# Altium PCB 191228 PCB.PcbDoc (part 2 of 3)
Units mm, origin at the board's own origin, x right, y up, seen from the top; angles counter-clockwise.
Board outline 140 x 119 mm, 6 copper layers (SIGNAL1, GND1, POWER, GND2, SIGNAL2, GND3), stack 1.551 mm thick; 287 components, 145 nets, 826 pads, 579 vias.
Unrouted connection lines stored in the file: 22.
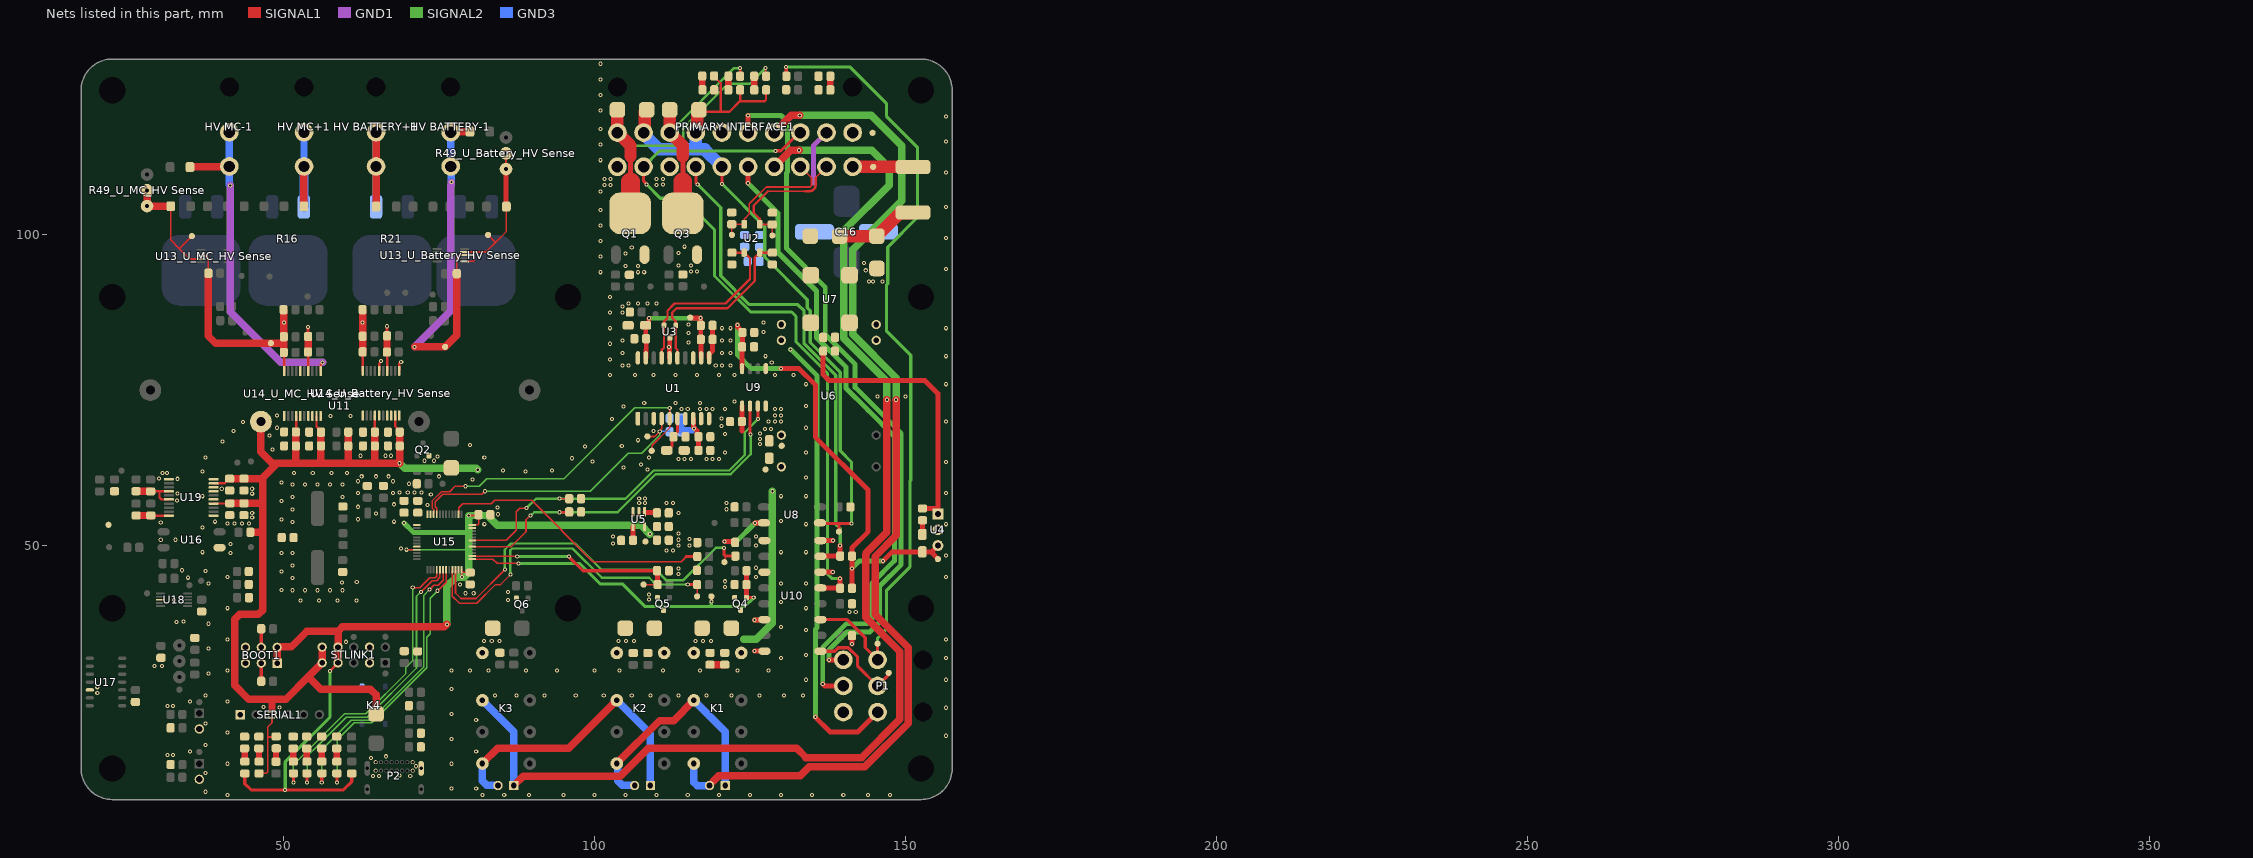
[diagram p4: the nets of this part, all layers, seen from the top]

## Part data
"AMS Bypass1" "IMD Bypass1" "PDOC Bypass1": library part "TH 2.54mm Header 1x2", Angle=0, Contact=NA, Flange=No, Part Number="TH 2.54mm Header 1x2", Pitch=2.54mm, Positions=2, Row Spacing=2.54mm
BOOT1: library part "TH 2.54mm Header 2x3", Angle=0, Contact=NA, Flange=No, Part Number="TH 2.54mm Header 2x3", Pitch=2.54mm, Positions=6, Row Spacing=2.54mm
C1 C4: library part GCM3195C2A103JA16D, Digikey Part Number=490-4978-2-ND, Manufacturer=muRata, Rated Voltage=100V, Tolerance=5%, Material=Ceramic, Part Number=GCM3195C2A103JA16D
C2 C3 C6 C8 C22 C24 C25 "C27_U_Battery_HV Sense" "C27_U_MC_HV Sense" "C29_U_Battery_HV Sense" "C29_U_MC_HV Sense" "C31_U_Battery_HV Sense" "C31_U_MC_HV Sense" "C32_U_Battery_HV Sense" "C32_U_MC_HV Sense" "C34_U_Battery_HV Sense" "C34_U_MC_HV Sense" C38 C39 C40 C45 C46 C47 C48 C50 C52 C53 C55 C57: library part GCM21BR71H104KA37L, Digikey Part Number=490-6064-1-ND, Manufacturer=muRata, Rated Voltage=50V, Tolerance=±10%, Material=X7R, Part Number=GCM21BR71H104KA37L
C5 C7 C14 C17 C18 C26 "C30_U_Battery_HV Sense" "C30_U_MC_HV Sense" "C33_U_Battery_HV Sense" "C33_U_MC_HV Sense" C51 C54: library part GRM21BR6YA106KE43L, Digikey Part Number=490-10514-6-ND, Manufacturer=muRata, Rated Voltage=50V, Tolerance=10%, Material=X5R, Part Number=GRM21BR6YA106KE43L
C9 C21 C41 C42 C43 C44: library part GRM21A5C2E220JW01D, Digikey Part Number=490-5534-1-ND, Manufacturer=muRata, Rated Voltage=250V, Tolerance=±5%, Material="C0G, NP0", Part Number=GRM21A5C2E220JW01D
C10 C11 C12 C13: library part GCM2165C1H101JA16D, Digikey Part Number=490-8031-1-ND, Manufacturer=muRata, Rated Voltage=50V, Tolerance=±5%, Material="C0G, NP0", Part Number=GCM2165C1H101JA16D
C15 C19: library part CC1206MKX5R7BB226, Digikey Part Number=311-1997-2-ND, Manufacturer=YAGEO, Rated Voltage=16V, Tolerance=20%, Material=Ceramic, Part Number=CC1206MKX5R7BB226
C16: library part MAL214699106E3, Digikey Part Number=4440PHCT-ND, Manufacturer=Vishay, Rated Voltage=50V, Tolerance=20%, Material="Aluminium Electrolytic", Part Number=MAL214699106E3
C20 C23: library part AC0805KKX7R8BB105, Digikey Part Number="DO NOT USE FOR NEW DESIGNS", Manufacturer=YAGEO, Rated Voltage=25V, Tolerance=10%, Material=X7R, Part Number=AC0805KKX7R8BB105
"C28_U_Battery_HV Sense" "C28_U_MC_HV Sense" "C35_U_Battery_HV Sense" "C35_U_MC_HV Sense" C49 C56: library part GCM2195C1H103JA16D, Digikey Part Number=490-4783-1-ND, Manufacturer=muRata, Rated Voltage=50V, Tolerance=±5%, Material="C0G, NP0", Part Number=GCM2195C1H103JA16D
C36: library part GCM21BR71E104KA37L, Digikey Part Number="DO NOT USE FOR NEW DESIGNS", Manufacturer=muRata, Rated Voltage=25V, Tolerance=10%, Material=X7R, Part Number=GCM21BR71E104KA37L
C37: library part GCM21BR71H105KA03L, Digikey Part Number=490-10675-1-ND, Manufacturer=muRata, Rated Voltage=50V, Tolerance=±10%, Material=X7R, Part Number=GCM21BR71H105KA03L
C58: library part GCM21BR71H102KA37L, Digikey Part Number="DO NOT USE FOR NEW DESIGNS", Manufacturer=muRata, Rated Voltage=50V, Tolerance=10%, Material=X7R, Part Number=GCM21BR71H102KA37L
"CAN RX INDC1" "CAN RX INDC2" "CAN TX INDC1" "CAN TX INDC2": library part SML-MN2BCTT86C, "LED BLUE CLEAR 2012 SMD", Digikey Part Number=846-1207-1-ND, Manufacturer="ROHM Semiconductor", Colour=Blue, Digikey Link=https://www.digikey.com/product-detail/en/rohm-semiconductor/SMLMN2BCTT86C/846-1207-1-ND/6057239, Part Number=SML-MN2BCTT86C
"CAN TERM R1" "CAN TERM R2": library part RC0805FR0756RL, Digikey Part Number=311-56.0CRCT-ND, Manufacturer=YAGEO, Rated Voltage=0.125W, Tolerance=0.01, Material=FR-07, Part Number=RC0805FR0756RL
D1 D7 D9 D11 D13 D16 D18 D21: "1.2V_F 600V 5A SMB", Digikey Part Number=1655-1530-2-ND, Manufacturer="SMC Diode Solutions", Digikey Link=https://www.digikey.com/product-detail/en/smc-diode-solutions/SD560BTR/1655-1530-2-ND/6022620, Part Number=SD560BTR
D2: "42.8V Clamp 93A (8/20µs) Ipp Tvs Diode Surface Mount SMB (DO-214AA)", Manufacturer=ST, Alternative Parts=https://www.digikey.com/en/products/detail/stmicroelectronics/SM6T39AY/2442901, Digikey Link=https://www.digikey.com/en/products/detail/stmicroelectronics/SM6T39CAY/2442903, Digikey Part Number=SM6T39CAY, Part Number=SM6T39CAY, Vbr=42.8V, Vf=42.8
D3 D4 D5 D20: library part SML-210LTT86, "Red LED Indication - Discrete 1.75V 0805 (2012 Metric)", Digikey Part Number=511-1286-1-ND, Manufacturer="ROHM Semiconductor", Colour=Red, Digikey Link=https://www.digikey.com/product-detail/en/rohm-semiconductor/SML-210LTT86/511-1286-1-ND/637099, Part Number=SML-210LTT86
D6 D14 D17 D19: library part SML-210FTT86, "Green LED Indication - Discrete 1.75V 0805 (2012 Metric)", Digikey Part Number=511-1285-1-ND, Manufacturer="ROHM Semiconductor", Colour=Green, Digikey Link=https://www.digikey.com/product-detail/en/rohm-semiconductor/SML-210FTT86/511-1285-1-ND/637098, Part Number=SML-210FTT86
D8 D10 D12 D15: library part SML-211DTT86, "Orange LED Indication - Discrete 1.75V 0805 (2012 Metric)", Digikey Part Number=511-1291-1-ND, Manufacturer="ROHM Semiconductor", Colour=Orange, Digikey Link=https://www.digikey.com/product-detail/en/rohm-semiconductor/SML-211DTT86/511-1291-1-ND/637104, Part Number=SML-211DTT86
F1: "PTC RESET FUSE 60V 1A 292", Digikey Part Number=507-2070-1-ND, Manufacturer="Littelfuse Inc.", Digikey Link=https://www.digikey.com/product-detail/en/bel-fuse-inc/0ZCF0100AF2A/507-2070-1-ND/6210547, Part Number=0ZCF0100AF2A
"HV BATTERY+1" "HV BATTERY-1" "HV MC+1" "HV MC-1": Digikey Part Number=WM21351-ND, Angle=90, Contact=Tin, Flange=No, Part Number=39300020, Pitch=4.2mm, Positions=2, Row Spacing=5.5mm
K1 K2 K3: "5V DPDT Relay 3A 220VDC", Digikey Part Number=PB383-ND, Manufacturer=Axicom, Digikey Link=https://www.digikey.com/products/en?mpart=V23105A5001A201&v=41, Part Number=V23105A5475A201
K4: "TACTILE SWITCHES SPST 5.10MM X 5.10MM 0.80MM SMD ROHS", Manufacturer="XKB Enerprise", Link=https://jlcpcb.com/client/index.html#/parts/componentSearch?searchTxt=usb, Part Number=TS-1187A-C-D-B
P1: Digikey Part Number=WM21353-ND, Angle=90, Contact=Tin, Flange=No, Part Number=39300060, Pitch=4.2mm, Positions=6, Row Spacing=5.5mm
P2: "USB - C (Type - C) USB 2.0 Receptacle Connector 16 Position Through Hole, Right Angle", Digikey Part Number=2073-USB4085-GF-ACT-ND, Angle=90, Digikey Link=https://www.digikey.ee/product-detail/en/gct/USB4085-GF-A/2073-USB4085-GF-ACT-ND/9859733, Part Number=USB4085-GF-A
"PCB NTC1": library part NTCS0805E3103FLT, Digikey Part Number=BC2733CT-ND, Manufacturer="Vishay Beyschlag", Rated Voltage=210mW, Tolerance=0.01, Part Number=NTCS0805E3103FLT
"PDOC Sensor 1" "PDOC Sensor 2": Digikey Part Number=455-2247-ND, Angle=0, Contact=Tin, Digikey Link=https://www.digikey.com.au/en/products/detail/jst-sales-america-inc/B2B-XH-A-LF-SN/1651045, Flange=No, Part Number=B2B-XH-A(LF)(SN), Pitch=2.54mm, Positions=2, Row Spacing=2.54mm
"PRIMARY INTERFACE1": Digikey Part Number=WM21360-ND, Angle=90, Contact=Tin, Flange=No, Part Number=39300200, Pitch=4.2mm, Positions=20, Row Spacing=5.5mm
Q1 Q3: "N-Channel 100V 60A (Tc) 125W (Tc) Surface Mount DPAK", Digikey Part Number=497-8806-2-ND, Manufacturer=STMicroelectronics, Digikey Link=https://www.digikey.com/product-detail/en/stmicroelectronics/STD70N10F4/497-8806-2-ND/2035599, LatestRevisionDate=29-May-2009, LatestRevisionNote="IPC-7351 Footprint Added.", PackageDescription="4-Pin SOT-343 Package 1.3 mm Pitch, 2.1 mm Lead Span", PackageReference=SOT-343, PackageVersion=Sep-2000, Part Number=STD70N10F4, Published=24-Mar-1999, Publisher="Altium Limited"
Q2 Q4 Q5 Q6: "60V 380mA, NFET MOSTFET (Small Signal)", Digikey Part Number=2N7002KCT-ND, Manufacturer="ON Semiconductor", Digikey Link=https://www.digikey.com/product-detail/en/on-semiconductor/2N7002K/2N7002KCT-ND/2060375, LatestRevisionDate=29-May-2009, LatestRevisionNote="IPC-7351 Footprint Added.", PackageDescription="4-Pin SOT-343 Package 1.3 mm Pitch, 2.1 mm Lead Span", PackageReference=SOT-343, PackageVersion=Sep-2000, Part Number=2N7002K, Published=24-Mar-1999, Publisher="Altium Limited", Qty=30
R1 R72: library part RC0805FR070RL, Digikey Part Number=311-0.0CRCT-ND, Manufacturer=YAGEO, Rated Voltage=0.125W, Tolerance=0.01, Material=FR-07, Part Number=RC0805FR070RL
R2 R3 R74 R81: library part RC0805FR072KL, Digikey Part Number=311-2.00KCRCT-ND, Manufacturer=YAGEO, Rated Voltage=0.125W, Tolerance=0.01, Material=FR-07, Part Number=RC0805FR072KL
R4 R7 R8 R10 R11 R18 R24 R25 R32 R36 R37 R66: library part RC0805FR071K5L, Digikey Part Number=311-1.50KCRCT-ND, Manufacturer=YAGEO, Rated Voltage=0.125W, Tolerance=0.01, Material=FR-07, Part Number=RC0805FR071K5L
R5 R12 R26 R30 R31 R34 R38 R41 R55 R56 R57 R58 R75: library part RC0805FR07680RL, Digikey Part Number=311-680CRCT-ND, Manufacturer=YAGEO, Rated Voltage=0.125W, Tolerance=0.01, Material=FR-07, Part Number=RC0805FR07680RL
R6 R9 R14 R15 R22 R23 R28 R29 R33 R35 R40: library part RC0805FR0720KL, Digikey Part Number=311-20.0KCRCT-ND, Manufacturer=YAGEO, Rated Voltage=0.125W, Tolerance=0.01, Material=FR-07, Part Number=RC0805FR0720KL
R13 R20 R27 R39 R42: library part RC0805FR0710RL, Digikey Part Number=311-10.0CRCT-ND, Manufacturer=YAGEO, Rated Voltage=0.125W, Tolerance=0.01, Material=FR-07, Part Number=RC0805FR0710RL
R16 R17 R19 R21: library part PWR263S-35-1001J, Digikey Part Number=PWR263S-35-1001J-ND, Manufacturer="Bournes Inc", Rated Voltage=35W, Tolerance=0.05, Part Number=PWR263S-35-1001J
"R43_U_Battery_HV Sense" "R43_U_MC_HV Sense" "R44_U_Battery_HV Sense" "R44_U_MC_HV Sense" "R45_U_Battery_HV Sense" "R45_U_MC_HV Sense" "R46_U_Battery_HV Sense" "R46_U_MC_HV Sense": library part MMA02040C3303FB300, Digikey Part Number=MMA-330KACT-ND, Manufacturer="Vishay Beyschlag", Rated Voltage=0.4W, Tolerance=0.01, Part Number=MMA02040C3303FB300
"R47_U_Battery_HV Sense" "R47_U_MC_HV Sense" "R48_U_Battery_HV Sense" "R48_U_MC_HV Sense" R79 R80: library part RC0805FR075K6L, Digikey Part Number=311-5.60KCRCT-ND, Manufacturer=YAGEO, Rated Voltage=0.125W, Tolerance=0.01, Material=FR-07, Part Number=RC0805FR075K6L
"R49_U_Battery_HV Sense" "R49_U_MC_HV Sense" R77: library part 3296W-1-103LF, Digikey Part Number=3296W-103LF-ND, Manufacturer="Bournes Inc", Rated Voltage=0.5W, Tolerance=0.1, Part Number=3296W-1-103LF
"R50_U_Battery_HV Sense" "R50_U_MC_HV Sense": library part MMA02040C1002FB300, Digikey Part Number=MMA-10KACT-ND, Manufacturer="Vishay Beyschlag", Rated Voltage=0.4W, Tolerance=0.01, Part Number=MMA02040C1002FB300
"R51_U_Battery_HV Sense" "R51_U_MC_HV Sense" R82: library part RC0805FR0730KL, Digikey Part Number=311-30.0KCRCT-ND, Manufacturer=YAGEO, Rated Voltage=0.125W, Tolerance=0.01, Material=FR-07, Part Number=RC0805FR0730KL
"R52_U_Battery_HV Sense" "R52_U_MC_HV Sense" R53 R59 R64 R65 R76 R78 R83: library part RC0805FR0710KL, Digikey Part Number=311-10.0KCRCT-ND, Manufacturer=YAGEO, Rated Voltage=0.125W, Tolerance=0.01, Material=FR-07, Part Number=RC0805FR0710KL
R54: library part RC0805FR07510RL, Digikey Part Number=311-510CRCT-ND, Manufacturer=YAGEO, Rated Voltage=0.125W, Tolerance=0.01, Material=FR-07, Part Number=RC0805FR07510RL
R60 R61 R62 R63: library part RC0805FR073K3L, Digikey Part Number=311-3.30KCRCT-ND, Manufacturer=YAGEO, Rated Voltage=0.125W, Tolerance=0.01, Material=FR-07, Part Number=RC0805FR073K3L
R67 R68: library part RC0805FR0720RL, Digikey Part Number=311-20.0CRCT-ND, Manufacturer=YAGEO, Rated Voltage=0.125W, Tolerance=0.01, Material=FR-07, Part Number=RC0805FR0720RL
R69: library part RC0805FR0710ML, Digikey Part Number=311-10.0MCRCT-ND, Manufacturer=YAGEO, Rated Voltage=0.125W, Tolerance=0.01, Material=FR-07, Part Number=RC0805FR0710ML
R70 R71: library part RC0805FR075K1L, Digikey Part Number=311-5.10KCRCT-ND, Manufacturer=YAGEO, Rated Voltage=0.125W, Tolerance=0.01, Material=FR-07, Part Number=RC0805FR075K1L
R73: library part RC0805FR073KL, Digikey Part Number=311-3.00KCRCT-ND, Manufacturer=YAGEO, Rated Voltage=0.125W, Tolerance=0.01, Material=FR-07, Part Number=RC0805FR073KL
SERIAL1: library part "TH 2.54mm Header 1x6", Angle=0, Contact=NA, Flange=No, Part Number="TH 2.54mm Header 1x6", Pitch=2.54mm, Positions=6, Row Spacing=2.54mm
STLINK1: library part "TH 2.54mm Header 2x5", Angle=0, Contact=NA, Flange=No, Part Number="TH 2.54mm Header 2x5", Pitch=2.54mm, Positions=10, Row Spacing=2.54mm
TP1 TP2 TP3 TP4 TP5 TP6 TP7 TP8 TP9 TP10 TP11 TP12 TP13 TP14 TP15 TP16 TP17 TP18 TP19 TP20 TP21 TP22 "TP23_U_Battery_HV Sense" "TP23_U_MC_HV Sense" "TP24_U_Battery_HV Sense" "TP24_U_MC_HV Sense" "TP25_U_Battery_HV Sense" "TP25_U_MC_HV Sense" "TP26_U_Battery_HV Sense" "TP26_U_MC_HV Sense" "TP27_U_Battery_HV Sense" "TP27_U_MC_HV Sense" "TP28_U_Battery_HV Sense" "TP28_U_MC_HV Sense" TP29 TP30 TP31 TP32 TP33 TP34 TP35 TP36 TP37 TP38 TP39 TP40 TP41 TP42 TP43 TP44: library part "SMD Test Point Small", Angle=0, Contact=NA, Flange=No, Part Number="SMD Test Point Small", Pitch=0mm, Positions=1, Row Spacing=0
U1: "Isolated CAN Transceiver", Digikey Part Number=ADM3053BRWZ-ND, Manufacturer="Analogue Devices", Digikey Link=https://www.digikey.com/product-detail/en/analog-devices-inc/ADM3053BRWZ/ADM3053BRWZ-ND/2709332, Part Number=ADM3053
U2: "100µH @ 100kHz 2 Line Common Mode Choke Surface Mount 5.8 kOhms @ 10MHz 150mA DCR 2Ohm", Digikey Part Number=495-4598-1-ND, Manufacturer="EPCOS (TDK)", Rated Current=150mA, Digikey Link=https://www.digikey.com/product-detail/en/epcos-tdk/B82787C0104H002/495-4598-2-ND/3680998, Impedence="5.8 kOhms @ 10MHz", Material=Wirewound, Part Number=B82787C0104H002
U3: "Dual Line CAN Bus Protector", Digikey Part Number=NUP2105LT1GOSCT-ND, Manufacturer="ON Semiconductor", Digikey Link=https://www.digikey.com/product-detail/en/on-semiconductor/NUP2105LT1G/NUP2105LT1GOSCT-ND/1485001, Part Number=NUP2105L
U4: "CONV DC/DC 1A 5V OUT SIP VERT", Digikey Part Number=945-1395-5-ND, Manufacturer=Recom, Output Power=5W, Output Voltage=5V, Digikey Link=https://www.digikey.com.au/product-detail/en/recom-power/R-78C5.0-1.0/945-1395-5-ND/2652148, Isolation=Non-Isolated, Part Number=R-78C5.0-1.0
U5: "Linear Voltage Regulator IC 1 Output 300mA SOT-23-5", Digikey Part Number=1028-1014-1-ND, Input Voltage=5.5V-0.3V, Manufacturer=Richtek, Output Power=1W, Output Voltage=3.3V, Digikey Link=https://www.digikey.com/products/en?keywords=1028-1014-1-ND, Efficiency=0.5, Isolation=Non-Isolated, Part Number=RT9193-33GB
U6: "DC DC CONVERTER 5V 4W", Digikey Part Number=JTC0424S05-ND, Input Voltage=9V-36V, Manufacturer="XP Power", Output Power=4W, Output Voltage=5V, Digikey Link=https://www.digikey.com/products/en?keywords=%20JTC0424S05, Efficiency=0.79, Isolation=Isolated, Part Number=JTC0424S05
U7: "120µH @ 100kHz 2 Line Common Mode Choke Surface Mount 460 Ohms @ 30MHz 2.5A DCR 25mOhm", Digikey Part Number=732-1489-1-ND, Manufacturer="Wurth Electronics Inc", Rated Current=2.5A, Digikey Link=https://www.digikey.com/product-detail/en/w-rth-elektronik/744272121/732-1489-1-ND/1639501, Impedence="460 Ohms @ 30MHz", Material=Wirewound, Part Number=744272121
U8 U16: "35V 50ma Optocoupler (VF=1.2V)", Digikey Part Number=160-1893-2-ND, Manufacturer="Lite-On Inc", Digikey Link=https://www.digikey.com/product-detail/en/lite-on-inc/LTV-817S-TA1/160-1893-2-ND/388451, Part Number=LTV-817S-TA1
U9: "4A Gate Driver Magnetic Coupling 2500Vrms 2 Channel 8-SOIC", Digikey Part Number=ADUM3221ARZ-ND, Manufacturer="Analog Devices", Digikey Link=https://www.digikey.com/product-detail/en/analog-devices-inc/ADUM3221ARZ/ADUM3221ARZ-ND/2616333, Part Number=ADUM3221ARZ
U10: "Optoisolator Transistor Output 5000Vrms 4 Channel 16-SMD", Digikey Part Number=160-1371-5-ND, Manufacturer="Lite-On Inc", Digikey Link=https://www.digikey.com.au/product-detail/en/lite-on-inc/LTV-847S/160-1371-5-ND/385841, Part Number=LTV-847S-TA1
U11: "RELAY REED HV SPST 200W 3A 5V (NO)", Digikey Part Number=1835-1036-ND, Manufacturer="Comus International", Digikey Link=https://www.digikey.com.au/product-detail/en/comus-international/3350-1275-056/1835-1036-ND/7515918, Part Number=3350-1275-056
U12: "Insulation monitoring device (IMD) for unearthed DC drive systems (IT systems) in electric vehicles.", Manufacturer=Bender, Link=https://www.bender.de/en/products/insulation-monitoring/isometer_ir155-3203ir155-3204, Part Number="BENDER IMD IR155"
"U13_U_Battery_HV Sense" "U13_U_MC_HV Sense" U18: "16 Bit Analog to Digital Converter 2, 4 Input 1 Sigma-Delta 10-VSSOP", Digikey Part Number=296-38849-1-ND, Manufacturer="Texas Instruments", Digikey Link=https://www.digikey.com/product-detail/en/texas-instruments/ADS1115IDGSR/296-38849-1-ND/5142969, Part Number=ADS1115
"U14_U_Battery_HV Sense" "U14_U_MC_HV Sense" U19: "I²C Digital Isolator 2500Vrms 2 Channel 25kV/µs CMTI 20-SSOP (0.209\", 5.30mm Width)", Digikey Part Number=ADM3260ARSZ-RL7CT-ND, Manufacturer="Analog Devices", Digikey Link=https://www.digikey.com/product-detail/en/analog-devices-inc/ADM3260ARSZ-RL7/ADM3260ARSZ-RL7CT-ND/5233040, Part Number=ADM3260
U15: "ARM® Cortex®-M3 STM32F1 Microcontroller IC 32-Bit 72MHz 64KB (64K x 8) FLASH", Digikey Part Number=497-6063-ND, Manufacturer=STMicroelectronics, Digikey Link=https://www.digikey.com/product-detail/en/stmicroelectronics/STM32F103C8T6/497-6063-ND/1646338, Part Number=STM32F103C8T6
U17: "Comparator General Purpose Open Collector 14-SOIC", Digikey Part Number=296-6611-2-ND, Manufacturer="Texas Instruments", Digikey Link=https://www.digikey.com/product-detail/en/texas-instruments/LMV339MTX-NOPB/296-35446-1-ND/3739150, Part Number=LMV339IDR
X1: library part ABLS-16.000MHZ-B4-T, Digikey Part Number=535-10226-1-ND, Load Capacitance=18pF, Manufacturer="Abracon LLC", Digikey Link=https://www.digikey.com/product-detail/en/abracon-llc/ABLS-16.000MHZ-B4-T/535-10226-1-ND/2184261, ESR=40R, Part Number=ABLS-16.000MHZ-B4-T
X2: library part "FC-135 32.7680KA-A5", Digikey Part Number=SER4103TR-ND, Load Capacitance=12.5pF, Manufacturer=EPSON, Digikey Link=https://www.digikey.com/product-detail/en/epson/FC-135-32.7680KA-A5/SER4103TR-ND/5259895, ESR=70k, Part Number="FC-135 32.7680KA-A5"

## Free pads (board coordinates)
  round 0 hole 4.2 unplated: 0(22.5,14.25) 0(22.5,40) 0(22.5,90) 0(22.5,123.25) 0(95.75,40) 0(95.75,90) 0(152.5,14.25) 0(152.5,40) 0(152.5,90) 0(152.5,123.25)

## Via types
v1: diameter 0.66, hole 0.33, SIGNAL1 to GND3, 579 vias

## Nets (pads, with @x,y where several pads share a name; then routed paths per layer and width w, separated by ;. In a path a pad name is that pad's centre, name@x,y a point inside that pad or via, vN(x,y) a via of type N, cw(c..) or ccw(c..) an arc to the next point about the centre after c; other vN are vias at no path point)
0V: C14.1 C15.1 C17.1 C18.1 C25.1 C26.1 P1.2 R2.1 R32.1 R36.2 R37.2 U4.2 U6.2 U6.3 U7.3 U9.5 U10.6 U10.8 | length 7.6
  SIGNAL1 w0.8: U10.6@136.33,45.793 138.293,45.793 v1(138.3,45.8) ; U10.8@136.33,50.873 138.312,50.873 v1(138.338,50.9) ; v1(141.4,34.275) R32.1@141.4,35.6 ; C15.1@152.7,51.86 152.713,51.873 152.713,54.125 C14.1@152.726,54.138
  other v1: 141,39.4 142,39.4 127.171,84.4 127.171,85.9
"0V (Crystal 16MHZ)": C41.1 C42.1 R72.2
  other v1: 51.505,42.883 53.505,42.883 55.505,42.883 57.505,42.883 59.505,42.883 59.421,44.153 51.505,44.883 51.505,46.883 51.505,48.883 51.505,53.883 51.505,55.883 51.505,57.883 59.505,57.883 51.505,59.883 53.505,59.883 55.505,59.883 57.505,59.883 59.505,59.883
"0V (ISO)": "C32_U_Battery_HV Sense.1" "C32_U_MC_HV Sense.1" "C33_U_Battery_HV Sense.1" "C33_U_MC_HV Sense.1" "C34_U_Battery_HV Sense.1" "C34_U_MC_HV Sense.1" "C35_U_Battery_HV Sense.1" "C35_U_MC_HV Sense.1" "PCB NTC1.1" "U14_U_Battery_HV Sense.1" "U14_U_Battery_HV Sense.5" "U14_U_Battery_HV Sense.7" "U14_U_Battery_HV Sense.8" "U14_U_Battery_HV Sense.10" "U14_U_MC_HV Sense.1" "U14_U_MC_HV Sense.5" "U14_U_MC_HV Sense.7" "U14_U_MC_HV Sense.8" "U14_U_MC_HV Sense.10" BOOT1.5 BOOT1.6 C1.1 C2.1 C7.1 C8.1 C19.1 C20.1 C21.1 C22.1 C23.1 C24.1 C36.1 C37.1 C38.1 C39.1 C40.1 C43.1 C44.1 C53.1 C54.1 C55.1 C56.1 C58.1 K4.2 P2.A1 P2.A12 P2.B1 P2.B12 P2.P1 Q2.S Q4.S Q5.S Q6.S R3.1 R4.1 R6.1 R14.1 R22.1 R28.1 R33.1 R35.1 R40.1 R55.1 R56.1 R57.1 R58.1 R70.2 R71.2 R72.1 SERIAL1.1 STLINK1.3 STLINK1.4 TP10.1 U1.1 U1.3 U1.7 U1.9 U1.10 U5.2 U6.16 U9.4 U10.9 U10.11 U15.8 U15.23 U15.35 U15.47 U16.3 U19.1 U19.5 U19.7 U19.8 U19.10
  other v1: 41,10 77,11 64.4,13 65.4,13 70.4,13 68.7,13.1 71.3,14.6 41,15 77,15 64.1,15.9 66.5,16.2 77,19 41,20 77,23 49.388,24.061 46.8,24.1 41,25 77,27 41,30 77,30 80,30 83,30 89,30 94,30 100,30 104,30 111,30 117,30 123,30 128,30 130,32 60.1,34.6 41,35 130,37 41,40 130,41 52.73,41.233 55.73,41.233 58.73,41.233 61.73,41.233 86.1,41.3 108.8,41.4 108.8,42.2 79.3,42.4 80.6,42.4 86.1,42.6 49.7,42.9 121,43.426 78.4,43.8 130,44 61.8,44.2 121,44.326 41,45 126,45 113.5,45.5 49.7,45.9 113.5,46.4 126,46.5 41.5,48.9 49.7,48.9 37,49 130,49 111.6,49.3 112.6,49.3 68.9,49.6 113.497,50.1 115.306,50.086 126,50.1 41.5,50.3 103,50.4 113.497,51 115.3,51.1 103,51.5 126,51.5 113.497,52 37,53 82.3,53.5 41,53.6 42.167,53.6 43.333,53.6 44.5,53.6 39,53.9 67.8,53.9 130,54 49.73,54.233 62,54.3 45,54.6 84.5,55.1 64.9,55.2 45,55.3 113.5,55.3 121.2,55.9 84.4,56.2 62,56.3 73.2,56.6 67.8,56.7 107.2,56.9 108.1,56.9 111.6,56.9 112.6,56.9 121.2,56.9 49.73,57.233 107.2,57.6 108.1,57.6 37,58 130,58 73.7,58.3 45,58.4 62,58.5 67.6,58.5 68.7,58.6 70,58.6 71.1,58.6 72.2,58.6 40.1,59.2 45,59.2 70.2,60 49.73,60.233 62,60.4 67.6,60.4 80.4,60.7 62.6,61.2 64.9,61.2 66.9,61.2 75,61.2 51.73,61.733 54.73,61.733 57.73,61.733 60.23,61.733 37,62 88.9,62 85.3,62.1 93.2,62.1 93.2,62.1 108.5,62.3 104.7,62.6 107.5,63.1 99.7,63.6 72.7,63.7 74.2,63.7 113.5,64 114.5,64 115.5,64 118,64 119,64 120,64 96.4,64.1 37.5,64.2 82.3,64.2 108.8,64.2 74.8,64.4 62.4,64.5 66.4,64.5 67.3,64.5 121,65 48.25,65.5 98.5,66 104.4,66.1 80,66.2 126.6,66.4 40.2,66.8 107,67 126.6,67.2 47.75,67.75 121,68 126.6,68.1 42,68.5 109.5,68.5 127.4,68.8 128.4,68.8 49,69 120.4,69.3 43.5,69.9 128,70 129,70 130,70 102.8,70.4 120.4,70.5 57.6,70.9 60.8,70.9 49,71 129,71 130,71 114,72 115,72 117,72 118,72 119,72 121,72 129,72 130,72 104.7,72.4 108,73 113,73 117,73 122.5,73.2
"3.3V (ISO)": BOOT1.1 BOOT1.2 C1.2 C2.2 C22.2 C23.2 C37.2 C38.2 C39.2 C40.2 D5.A D20.A R65.2 STLINK1.7 STLINK1.8 TP8.1 U1.6 U5.5 U15.1 U15.9 U15.24 U15.36 U15.48 | length 167
  SIGNAL1 w0.254: v1(69.8,49.4) 69.805,49.395 71.461,49.395 U15.9@71.466,49.391 ; U15.24@78.666,46.191 78.683,46.174 U15.24@78.683,45.771 ; v1(78.7,45) 78.683,45.017 U15.24@78.683,45.771 ; v1(79.8,54.9) 81.236,54.9 C39.2@81.362,55.026 81.4,54.988 81.4,53.54 81.251,53.391 U15.36@80.366,53.391 ; C38.2@80.026,45.738 79.999,45.765 78.689,45.765 U15.24@78.683,45.771